# Altium PCB HIL_RIG_REV_1_2.PcbDoc (part 4 of 14) (continued)
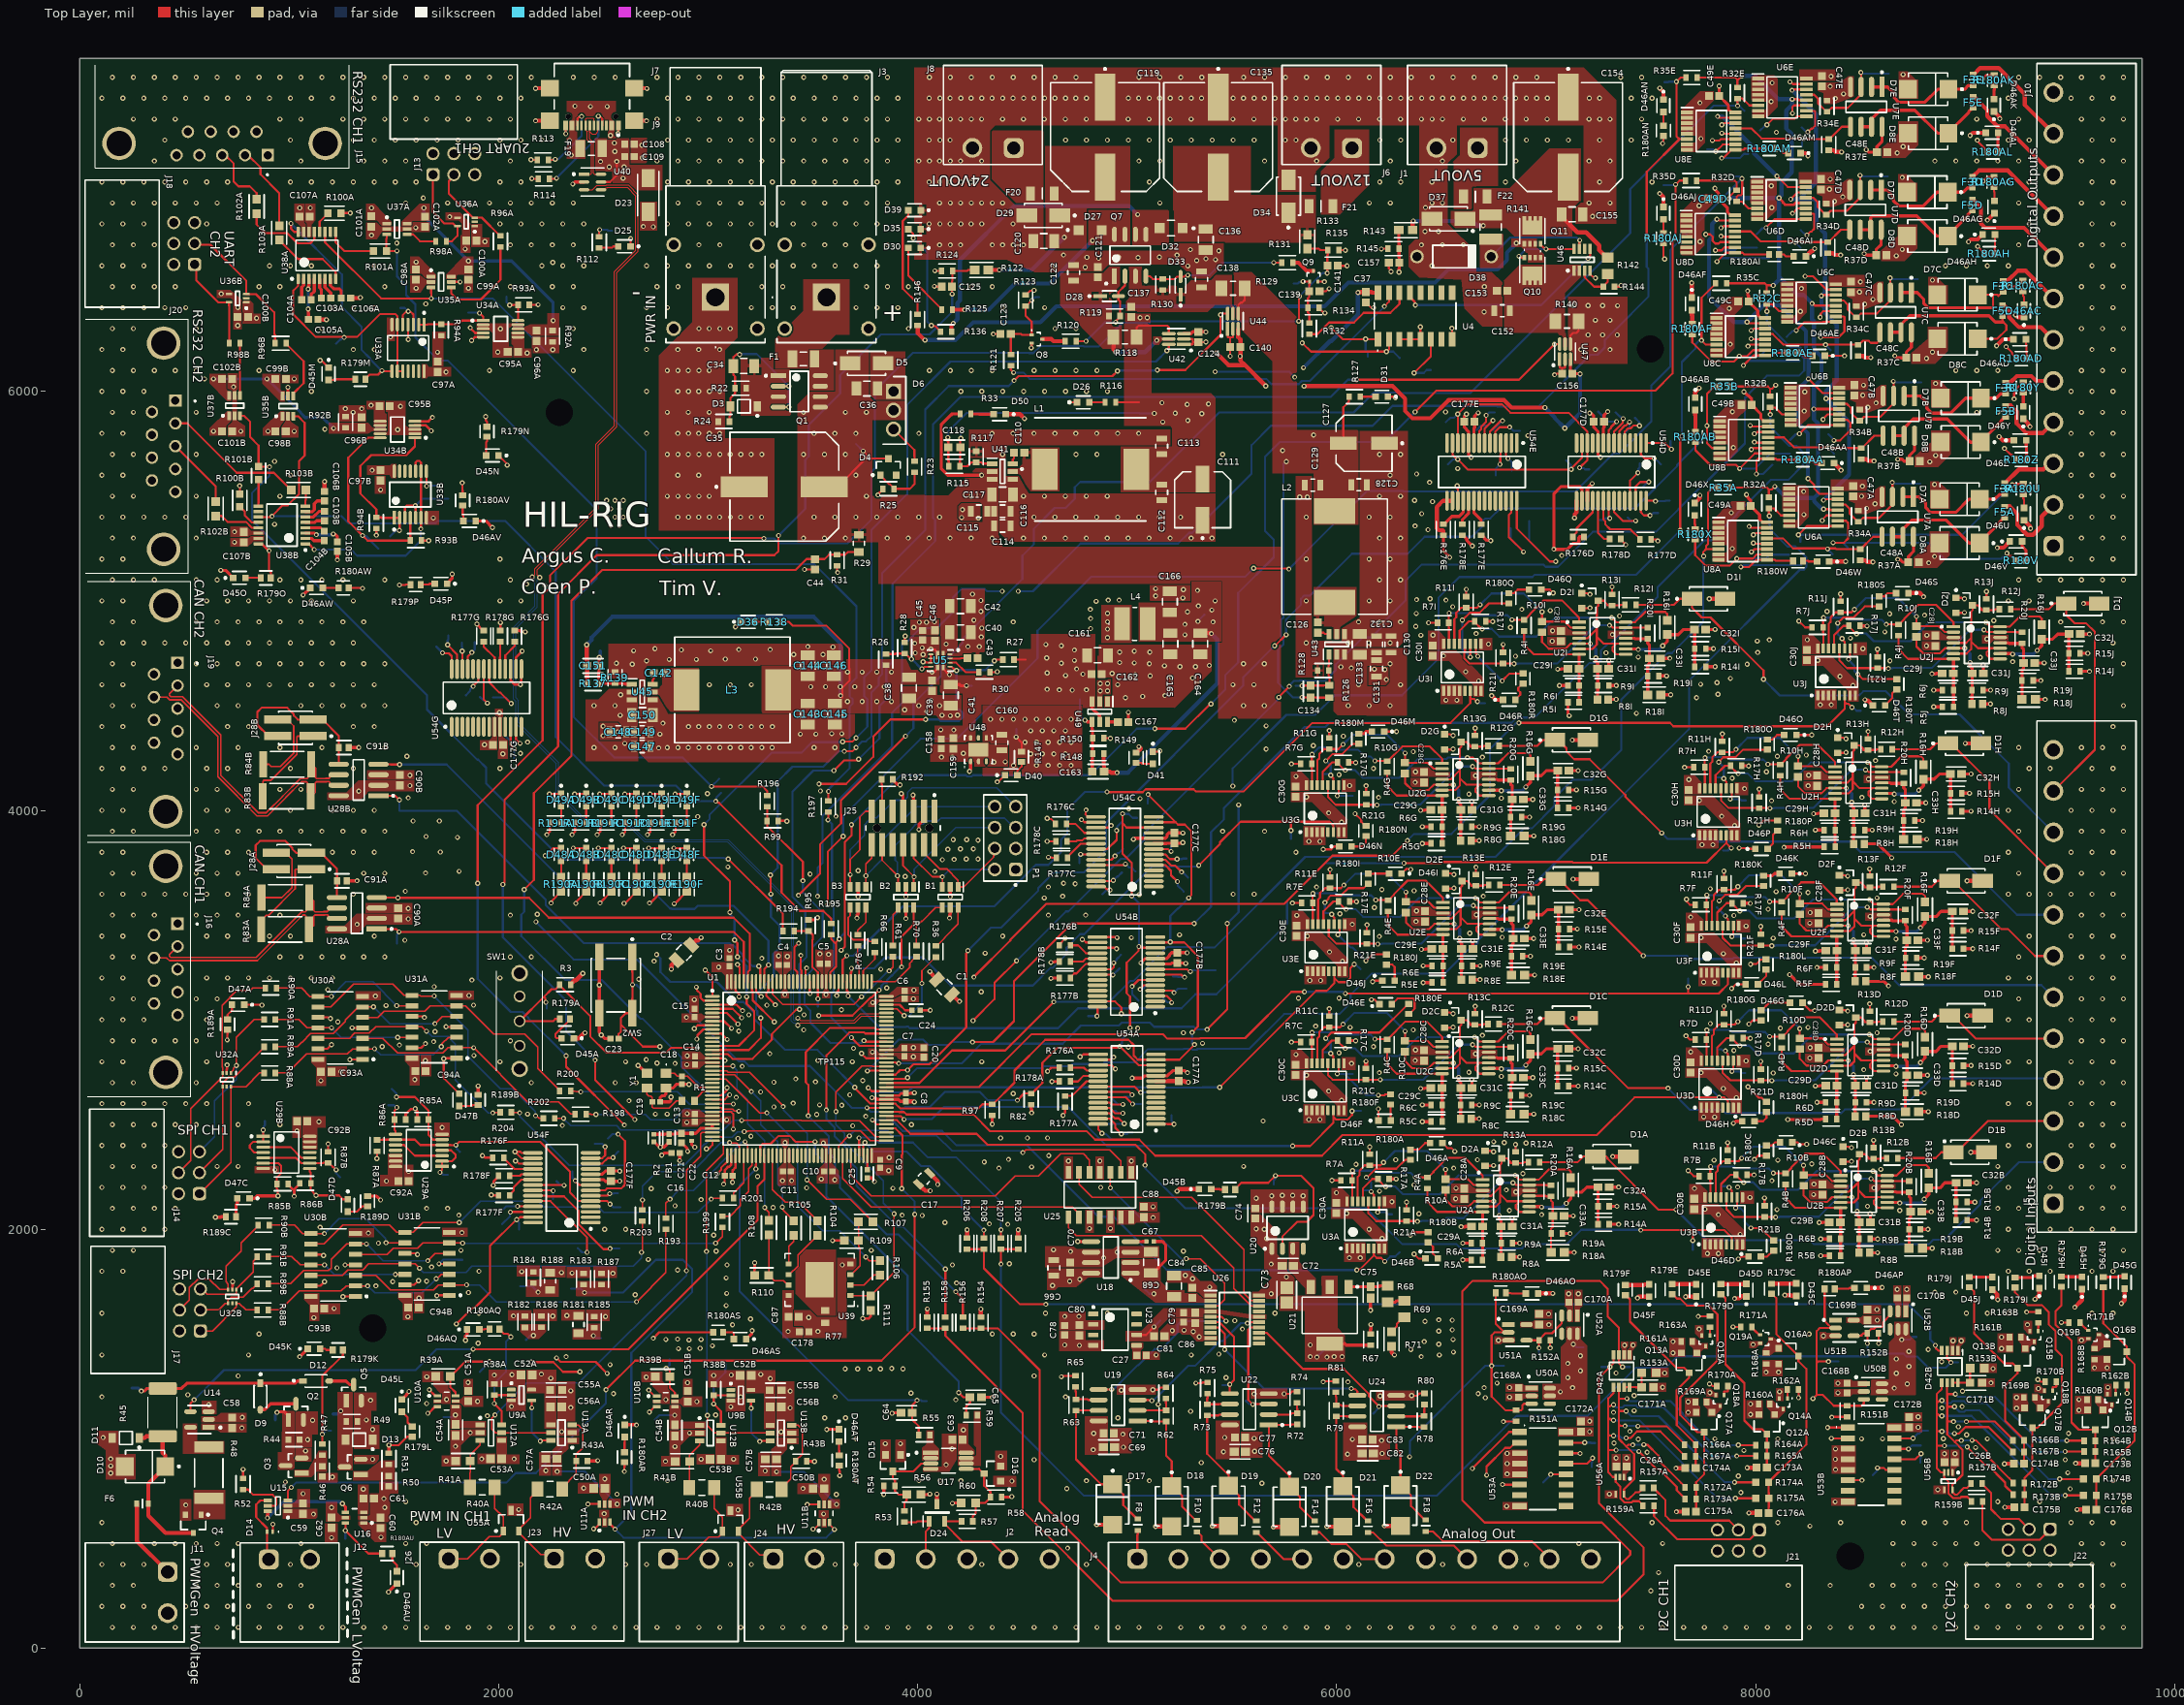
[diagram p0: Top Layer view]
## Footprints (in the part's own frame and the unit in brackets; to place one, negate y for a bottom-side part, rotate by r counter-clockwise, add the part's x,y. Pads: shape width x height; smd on the part's side, far side on the other; paste and mask are expansions set on the pad) (continued)
DRL0005A_M#2 [mm] "SOT23, 5-Leads, Body 1.7x1.3mm, Pitch 0.5mm, IPC Low Density"
  rrect33% 0.8x0.3 smd mask+0.038: 1(-1.05,0.5) 2(-1.05,0) 3(-1.05,-0.5) 4(1.05,-0.5) 5(1.05,0.5)
  silkscreen extent -1.17,-0.85 0.25,1.33, body extent -0.65,-0.85 0.65,0.85, height 0.6
ECS1601233AGNTR3 [mm]
  rect 1.3x1.1 smd: 1(-1.15,-0.9) 2(1.15,-0.9) 3(1.15,0.9) 4(-1.15,0.9)
  silkscreen extent -1.25,-2 -1.15,-1.9, body extent -1.69,-1.34 1.69,1.34, height 0.9
ESD501DPYR [mm]
  rect 0.3x0.5 smd: 1(-0.35,0) 2(0.35,0)
  silkscreen extent -1.1,-0.05 -1,0.05, body extent -0.5,-0.3 0.5,0.3, height 0.4
FAIR-DO-41-2_V [mm] "2-Leads, Axial leaded, Body 2.72x5.2mm, Pin Spacing 9mm"
  round 1.65 hole 1.15: 1(-4.5,0) 2(4.5,0)
  silkscreen extent -2.6,-1.36 2.6,1.36, body extent -4.93,-1.36 4.93,1.36, height 2.71
FCR7350B [mm]
  rect 3.3x3.3 hole 2.2: 1(0,0)
  round 1.8 hole 1.2: 2(-6.36,5.08) 3(-6.36,-5.08) 4(3.8,-5.08) 5(3.8,5.08)
  silkscreen extent -27.85,-6 6.1,6, body extent -27.51,-6.02 5.49,5.98, height 12.45
FCR7350R [mm]
  rect 3.3x3.3 hole 2.2: 1(0,0)
  round 1.8 hole 1.2: 2(-6.36,-5.08) 3(3.8,-5.08) 4(3.8,5.08) 5(-6.36,5.08)
  silkscreen extent -27.5,-6.6 5.5,6, body extent -27.5,-6 5.5,6, height 11.49
FP-0ZCM0001FF2G-MFG#1 [mm]
  rect 0.6x0.8 smd: 1(-0.7,0) 2(0.7,0)
  silkscreen extent 0,-0.5 0,0.5, body extent -1.1,-0.6 1.1,0.6, height 0.25
FP-0ZCM0001FF2G-MFG#2 [mm]
  rect 0.6x0.8 smd paste+0 mask+0: 1(-0.7,0) 2(0.7,0)
  silkscreen extent 0,-0.5 0,0.5, body extent -1.1,-0.6 1.1,0.6, height 0.25
FP-0466-MFG [mil]
  rect 45x80 smd: 1(-52.5,0) 2(52.5,0)
  silkscreen extent -15,-32 15,32, body extent -79,-44 79,44, height 10
FP-AC0603-IPC_A [mil]
  rect 41.68x39.85 smd: 1(-34.52,0) 2(34.52,0)
  silkscreen extent -55,-36 55,36, body extent -75,-40 75,40, height 10
FP-AC0603-IPC_C#1 [mil]
  rect 25.93x31.97 smd: 1(-26.64,0) 2(26.64,0)
  silkscreen extent -40,-33 40,33, body extent -44,-22 44,22, height 10
FP-AC0603-IPC_C#2 [mil]
  rect 25.93x31.97 smd paste+0 mask+0: 1(-26.64,0) 2(26.64,0)
  silkscreen extent -40,-33 40,33, body extent -44,-22 44,22, height 10
FP-AC2512-IPC_C [mil]
  rect 37.72x124.34 smd paste+0 mask+0: 1(-114.25,0) 2(114.25,0)
  silkscreen extent -81,-61 81,61, body extent -137,-68 137,68, height 10
FP-AT0603-IPC_A [mil]
  rect 41.68x39.85 smd: 1(-34.52,0) 2(34.52,0)
  silkscreen extent -55,-36 55,36, body extent -75,-40 75,40, height 10
FP-BLM15-0_05-IPC_A [mil]
  rect 28.16x26.48 smd: 1(-18.84,0) 2(18.84,0)
  silkscreen extent -33,-29 33,29, body extent -41,-21 41,21, height 10
FP-C0603C-CF-IPC_B [mil]
  rect 39.63x37.73 smd: 1(-28.58,0) 2(28.58,0)
  silkscreen extent -48,-35 48,35, body extent -58,-29 58,29, height 10
FP-C0603C-CF-MFG [mm]
  rect 0.75x0.9 smd: 1(-0.6,0) 2(0.6,0)
  silkscreen extent -0.87,-0.85 0.88,0.85, body extent -1.2,-0.6 1.2,0.6, height 0.25
FP-C-06527-IPC_B [mil]
  rect 72.24x23.03 smd: 1(-99.83,75)
  rrect100% 72.24x23.03 smd: 2(-99.83,25) 3(-99.83,-25) 4(-99.83,-75) 5(99.83,-75) 6(99.83,-25) 7(99.83,25) 8(99.83,75)
  silkscreen extent -164,-96 44,96, body extent -146,-106 146,106, height 10
FP-CC0402-IPC_A [mil]
  rect 26.31x26.48 smd: 1(-19.77,0) 2(19.77,0)
  silkscreen extent -33,-29 33,29, body extent -41,-21 41,21, height 10
FP-CC0603-DA-IPC_B#1 [mil]
  rect 41.66x35.91 smd: 1(-26.65,0) 2(26.65,0)
  silkscreen extent -47,-34 47,34, body extent -57,-28 57,28, height 10
FP-CC0603-DA-IPC_B#2 [mil]
  rect 41.66x35.91 smd paste+0 mask+0: 1(-26.65,0) 2(26.65,0)
  silkscreen extent -47,-34 47,34, body extent -57,-28 57,28, height 10
FP-CC0603-DB-IPC_B [mil]
  rect 43.55x37.73 smd: 1(-26.62,0) 2(26.62,0)
  silkscreen extent -48,-35 48,35, body extent -58,-29 58,29, height 10
FP-CC0805-0_85-IPC_A [mil]
  rect 59.24x61.27 smd: 1(-35.46,0) 2(35.46,0)
  silkscreen extent -65,-46 65,46, body extent -85,-50 85,50, height 10
FP-CRCW0603-e3-IPC_C [mil]
  rect 28.94x33.94 smd: 1(-24.23,0) 2(24.23,0)
  silkscreen extent -30,-33 30,33, body extent -43,-23 43,23, height 10
FP-CRGCQ0603-IPC_A [mil]
  rect 45.6x39.85 smd: 1(-32.56,0) 2(32.56,0)
  silkscreen extent -55,-36 55,36, body extent -75,-40 75,40, height 10
FP-CRGP0603-IPC_C [mil]
  rect 29.85x31.97 smd: 1(-24.68,0) 2(24.68,0)
  silkscreen extent -40,-33 40,33, body extent -44,-22 44,22, height 10
FP-CRGP2512-IPC_A [mil]
  rect 53.47x138.04 smd: 1(-122.13,0) 2(122.13,0)
  silkscreen extent -68,-68 70,68, body extent -169,-89 169,89, height 10
FP-D0008A-IPC_A [mil]
  rect 97.21x24.49 smd: 1(-95.02,75)
  rrect100% 97.21x24.49 smd: 2(-95.02,25) 3(-95.02,-25) 4(-95.02,-75) 5(95.02,-75) 6(95.02,-25) 7(95.02,25) 8(95.02,75)
  silkscreen extent -170,-97 27,97, body extent -163,-116 163,116, height 10
FP-D0008A-IPC_B [mil]
  rect 85.4x22.92 smd: 1(-93.06,75)
  rrect100% 85.4x22.92 smd: 2(-93.06,25) 3(-93.06,-25) 4(-93.06,-75) 5(93.06,-75) 6(93.06,-25) 7(93.06,25) 8(93.06,75)
  silkscreen extent -162,-97 31,97, body extent -146,-106 146,106, height 10
FP-D0014A-MFG [mm]
  rect 1.55x0.6 smd: 1(-2.7,3.81) 2(-2.7,2.54) 3(-2.7,1.27) 4(-2.7,0) 5(-2.7,-1.27) 6(-2.7,-2.54) 7(-2.7,-3.81) 8(2.7,-3.81) 9(2.7,-2.54) 10(2.7,-1.27) 11(2.7,0) 12(2.7,1.27) 13(2.7,2.54) 14(2.7,3.81)
  silkscreen extent -4.15,-4.38 1.55,4.38, body extent -3.57,-4.62 3.57,4.62, height 0.25
FP-DBV0005A-IPC_B [mm]
  rect 1.505x0.572 smd: 1(-1.1,0.95)
  rrect100% 1.505x0.572 smd: 2(-1.1,0) 3(-1.1,-0.95) 4(1.1,-0.95) 5(1.1,0.95)
  silkscreen extent -2.65,-1.7 1.4,1.7, body extent -2.1,-1.7 2.1,1.7, height 0.25
FP-DBV0006A-IPC_B [mm]
  rect 1.505x0.57 smd: 1(-1.1,0.95)
  rrect100% 1.505x0.57 smd: 2(-1.1,0) 3(-1.1,-0.95) 4(1.1,-0.95) 5(1.1,0) 6(1.1,0.95)
  silkscreen extent -1.58,-1.7 1.4,2.46, body extent -2.1,-1.7 2.1,1.7, height 0.25
FP-DCK0006A-IPC_A#1 [mm]
  rect 1.677x0.416 smd mask+0.025: 1(-0.914,0.65)
  rrect100% 1.677x0.416 smd mask+0.025: 2(-0.914,0) 3(-0.914,-0.65) 4(0.92,-0.65) 5(0.927,0) 6(0.92,0.649)
  silkscreen extent -1.9,-1.25 1.05,1.52, body extent -2.25,-1.5 2.25,1.5, height 0.25
FP-DCK0006A-IPC_A#2 [mm]
  rect 1.677x0.416 smd mask+0.025: 1(-0.914,0.65)
  rrect100% 1.677x0.416 smd mask+0.025: 2(-0.914,0) 3(-0.914,-0.65) 4(0.918,-0.65) 5(0.921,0) 6(0.918,0.65)
  silkscreen extent -1.9,-1.25 1.05,1.52, body extent -2.25,-1.5 2.25,1.5, height 0.25
FP-DCK0006A-IPC_A#3 [mm]
  rect 1.677x0.416 smd mask+0.025: 1(-0.921,0.65)
  rrect100% 1.677x0.416 smd mask+0.025: 2(-0.921,-0.001) 3(-0.918,-0.65) 4(0.914,-0.65) 5(0.914,0) 6(0.914,0.65)
  silkscreen extent -1.78,-1.25 1.05,1.52, body extent -2.25,-1.5 2.25,1.5, height 0.25
FP-DCK0006A-MFG [mm]
  rect 0.9x0.4 smd: 1(-1.1,0.65) 2(-1.1,0) 3(-1.1,-0.65) 4(1.1,-0.65) 5(1.1,0) 6(1.1,0.65)
  silkscreen extent -2.22,-1.07 0.27,1.07, body extent -1.65,-1.33 1.65,1.33, height 0.25
FP-DGK0008A-IPC_A [mm]
  rect 1.857x0.498 smd mask+0.023: 1(-2.149,0.978)
  rrect100% 1.857x0.498 smd mask+0.023: 2(-2.151,0.327) 3(-2.152,-0.328) 4(-2.15,-0.982) 5(2.151,-0.977) 6(2.151,-0.325) 7(2.151,0.325) 8(2.153,0.978)
  silkscreen extent -3.98,-1.5 0.85,1.5, body extent -3.58,-2 3.58,2, height 0.25
FP-DGS0010A-IPC_B [mm]
  rect 1.557x0.352 smd mask+0.02: 1(-2.101,1)
  rrect100% 1.557x0.352 smd mask+0.02: 2(-2.101,0.5) 3(-2.101,0) 4(-2.101,-0.5) 5(-2.101,-1) 6(2.101,-1) 7(2.101,-0.5) 8(2.101,0) 9(2.101,0.5) 10(2.101,1)
  silkscreen extent -3.55,-1.5 0.82,1.5, body extent -3.13,-1.75 3.13,1.75, height 0.25
FP-EEH-D8-MFG [mm]
  rect 3.2x1.6 smd: 1(-2.5,0) 2(2.5,0)
  silkscreen extent -4.77,-3.4 3.4,3.4, body extent -4.35,-3.65 4.35,3.65, height 0.25
FP-ESR18-IPC_A [mil]
  rect 57.31x73.16 smd: 1(-59.1,0) 2(59.1,0)
  silkscreen extent -14,-37 16,37, body extent -107,-56 107,56, height 10
FP-FTSH-107-01-L-DV-K-A-MFG [mm]
  rect 0.74x2.79 smd: 1(-3.81,-2.035) 2(-3.81,2.035) 3(-2.54,-2.035) 4(-2.54,2.035) 5(-1.27,-2.035) 6(-1.27,2.035) 7(0,-2.035) 8(0,2.035) 9(1.27,-2.035) 10(1.27,2.035) 11(2.54,-2.035) 12(2.54,2.035) 13(3.81,-2.035) 14(3.81,2.035)
  round 1.02 hole 1.02 unplated mask+0: MH1(-3.175,0) MH2(3.175,0)
  silkscreen extent -4.51,-4.11 4.51,0.27, body extent -4.61,-3.53 4.61,3.53, height 0.25
FP-GJM155-0_05-IPC_A [mil]
  rect 28.16x26.48 smd: 1(-18.84,0) 2(18.84,0)
  body extent -41,-21 41,21, height 10
FP-GRJ21B-0_35-MFG#1 [mm]
  rect 0.7x1.3 smd: 1(-1,0) 2(1,0)
  silkscreen extent -0.28,-0.75 0.28,0.75, body extent -1.45,-0.85 1.45,0.85, height 0.25
FP-GRJ21B-0_35-MFG#2 [mm]
  rect 0.7x1.3 smd mask+0.025: 1(-1,0)
  rect 0.7x1.3 smd: 2(1,0)
  silkscreen extent -0.28,-0.75 0.28,0.75, body extent -1.45,-0.85 1.45,0.85, height 0.25
FP-GRM21B-0_2-e0_2_0_7-MFG [mm]
  rect 0.7x1.3 smd paste+0 mask+0: 1(-0.95,0) 2(0.95,0)
  silkscreen extent -0.23,-0.72 0.23,0.72, body extent -1.4,-0.82 1.4,0.82, height 0.25
FP-GRM31C-0_2-e0_3_0_8-IPC_C [mil]
  rect 45.46x67.17 smd: 1(-50.23,0) 2(50.23,0)
  silkscreen extent -16,-35 16,35, body extent -77,-39 77,39, height 10
FP-GRM188-0_1-e0_2_0_5-IPC_B [mil]
  rect 37.74x35.91 smd: 1(-28.61,0) 2(28.61,0)
  silkscreen extent -47,-34 47,34, body extent -57,-28 57,28, height 10
FP-GRM188-0_2-IPC_C [mil]
  rect 35.63x35.68 smd: 1(-23.64,0) 2(23.64,0)
  silkscreen extent -41,-35 41,35, body extent -45,-24 45,24, height 10
FP-LTST-C193KGKT-5A-MFG [mm]
  rect 0.8x0.8 smd: 1(-0.75,0) 2(0.75,0)
  silkscreen extent -1.83,-0.78 0.85,0.78, body extent -1.25,-0.55 1.25,0.55, height 0.25
FP-LTST-C193KRKT-5A-MFG [mm]
  rect 0.8x0.8 smd: 1(-0.75,0) 2(0.75,0)
  silkscreen extent -1.82,-0.82 0.7,0.82, body extent -1.25,-0.55 1.25,0.55, height 0.25
FP-LTST-C193TBKT-5A-MFG [mm]
  rect 0.8x0.8 smd: 1(-0.75,0) 2(0.75,0)
  silkscreen extent -1.85,-0.8 0.85,0.8, body extent -1.25,-0.55 1.25,0.55, height 0.25
FP-MCS0402-IPC_B [mil]
  rect 22.26x22.54 smd: 1(-17.86,0) 2(17.86,0)
  silkscreen extent -29,-27 29,27, body extent -35,-17 35,17, height 10
FP-MVYAKE0-MFG [mm]
  rect 5.7x2.5 smd: 1(-4.85,0) 2(4.85,0)
  silkscreen extent -8.37,-6.6 6.6,6.6, body extent -7.95,-6.85 7.95,6.85, height 0.25
FP-PW0014A-IPC_B [mm]
  rect 1.655x0.381 smd: 1(-2.825,1.95)
  rrect100% 1.655x0.381 smd: 2(-2.825,1.3) 3(-2.825,0.65) 4(-2.825,0) 5(-2.825,-0.65) 6(-2.825,-1.3) 7(-2.825,-1.95) 8(2.825,-1.95) 9(2.825,-1.3) 10(2.825,-0.65) 11(2.825,0) 12(2.825,0.65) 13(2.825,1.3) 14(2.825,1.95)
  silkscreen extent -3.41,-2.5 1.5,2.94, body extent -3.9,-2.75 3.9,2.75, height 0.25
FP-RC0603-0_55-IPC_A [mil]
  rect 41.68x39.85 smd: 1(-34.52,0) 2(34.52,0)
  silkscreen extent -55,-36 55,36, body extent -75,-40 75,40, height 10
FP-RT0603-IPC_A [mil]
  rect 41.68x39.85 smd: 1(-34.52,0) 2(34.52,0)
  silkscreen extent -55,-36 55,36, body extent -75,-40 75,40, height 10
FP-RT0603-IPC_B#1 [mil]
  rect 33.81x35.91 smd: 1(-30.58,0) 2(30.58,0)
  silkscreen extent -47,-34 47,34, body extent -57,-28 57,28, height 10
FP-RT0603-IPC_B#2 [mil]
  rect 33.81x35.91 smd: 1(-30.58,0) 2(31.53,0)
FP-RT0603-IPC_C [mil]
  rect 25.93x31.97 smd: 1(-26.64,0) 2(26.64,0)
  silkscreen extent -40,-33 40,33, body extent -44,-22 44,22, height 10
FP-RT0805-MFG [mm]
  rect 0.9x1.2 smd: 1(-1.05,0) 2(1.05,0)
  silkscreen extent -0.22,-0.67 0.22,0.67, body extent -1.6,-0.77 1.6,0.77, height 0.25
FP-RUX0012A-MFG [mm]
  rrect25% 1.05x0.4 smd: 1(-0.675,0.35) 2(-0.675,-0.35) 7(0.675,-0.35) 8(0.675,0.35)
  rrect50% 0.2x0.6 smd: 3(-0.75,-1.15) 4(-0.25,-1.15) 5(0.25,-1.15) 6(0.75,-1.15) 9(0.75,1.15) 10(0.25,1.15) 11(-0.25,1.15) 12(-0.75,1.15)
  silkscreen extent -1.39,-1.55 1.3,2.28, body extent -1.3,-1.55 1.3,1.55, height 0.25
FP-SMA-MFG [mm]
  rect 2.5x1.7 smd: 1(-2,0) 2(2,0)
  silkscreen extent -3.92,-1.46 2.3,1.46, body extent -3.35,-1.56 3.35,1.56, height 0.25
FP-SMBJ-MFG [mm]
  rect 2.16x2.26 smd: 1(-2.45,0) 2(2.45,0)
  silkscreen extent -4.23,-1.97 2.37,1.97, body extent -3.63,-2.07 3.63,2.07, height 0.25
FP-SOD123-IPC_C [mil]
  rect 37.7x26.08 smd: 1(-63.01,0)
  rrect100% 37.7x26.08 smd: 2(63.01,0)
  silkscreen extent -111,-31 52,31, body extent -86,-34 86,34, height 10
FP-SOD123W-MFG [mm]
  rect 1.2x1.2 smd: 1(-1.4,0) 2(1.4,0)
  silkscreen extent -2.85,-0.1 -2.6,0.15, body extent -2.2,-1.05 2.2,1.05, height 0.25
FP-SOD323-IPC_A [mil]
  rect 63.21x18.6 smd: 1(-43.32,0)
  rrect100% 63.21x18.6 smd: 2(43.32,0)
  silkscreen extent -100,-26 33,26, body extent -95,-45 95,45, height 10
FP-SOT23-IPC_A [mm]
  rect 1.659x0.627 smd: 1(-0.977,0.915)
  rrect100% 1.659x0.627 smd: 2(-0.977,-0.915) 3(0.977,0)
  silkscreen extent 0.23,-1.45 0.65,1.45, body extent -2.31,-1.95 2.31,1.95, height 0.25
FP-SRP1265A-MFG [mm]
  rect 3.1x5 smd: 1(-5.55,0) 2(5.55,0)
  silkscreen extent -7,-6.4 7,6.4, body extent -7.2,-6.5 7.2,6.5, height 0.25
FP-TMM-102-01-T-D-SM-MFG [mm]
  rect 1.02x3.3 smd: 1(-1,-2.135) 2(-1,2.135) 3(1,-2.135) 4(1,2.135)
  silkscreen extent -2,-4.46 2,2.03, body extent -2.1,-3.89 2.1,3.89, height 0.25
FP-TNPW0603-e3-IPC_A [mil]
  rect 43.83x41.82 smd: 1(-31.67,0) 2(31.67,0)
  silkscreen extent -54,-37 54,37, body extent -73,-41 73,41, height 10
FP-USB4110-GF-A-MFG [mm]
  rect 2.18x2 smd: 1(-5.11,3.105) 2(5.11,3.105) 3(-5.11,-0.825) 4(5.11,-0.825)
  round 0.65 hole 0.65 unplated mask+0.023: 5(2.89,2.605) 6(-2.89,2.605)
  rect 0.6x1.15 smd mask+0.038: A1-B12(-3.2,3.68) A4-B9(-2.4,3.68) B1-A12(3.2,3.68) B4-A9(2.4,3.68)
  rect 0.3x1.15 smd mask+0.038: A5(-1.25,3.68) A6(-0.25,3.68) A7(0.25,3.68) A8(1.25,3.68) B5(1.75,3.68) B6(0.75,3.68) B7(-0.75,3.68) B8(-1.75,3.68)
  silkscreen extent -4.57,-3.82 4.57,4.99, body extent -6.3,-3.92 6.3,4.36, height 0.25
FUSC3116X70N [mm]
  rect 1.07x1.68 smd: 1(-1.43,0) 2(1.43,0)
  silkscreen extent 0,-0.67 0,0.67, body extent -1.55,-0.77 1.55,0.77, height 0.7
INF-PG-DSO-8-3_L [mm] "SOP, 8-Leads, Body 4.9x3.9mm, Pitch 1.27mm, IPC High Density"
  oval 1.5x0.6 smd: 1(-2.55,1.905) 2(-2.55,0.635) 3(-2.55,-0.635) 4(-2.55,-1.905) 5(2.55,-1.905) 6(2.55,-0.635) 7(2.55,0.635) 8(2.55,1.905)
  silkscreen extent -2.67,-2.5 1.4,2.88, body extent -2,-2.5 2,2.5, height 1.75
INF-PG-SOT23_L [mm] "SOT23, 3-Leads, Body 2.9x1.3mm, Pitch 0.95mm, IPC High Density"
  rect 0.75x0.6 smd: 1(-1.1,0.95) 2(-1.1,-0.95) 3(1.1,0)
  silkscreen extent -1.22,-1.5 0.7,1.93, body extent -0.7,-1.5 0.7,1.5, height 1.1
LT-S8-8_N [mm] "SOIC, 8-Leads, Body 4.9x3.9mm, Pitch 1.27mm, IPC Medium Density"
  oval 2.2x0.6 smd: 1(-2.4,1.905) 2(-2.4,0.635) 3(-2.4,-0.635) 4(-2.4,-1.905) 5(2.4,-1.905) 6(2.4,-0.635) 7(2.4,0.635) 8(2.4,1.905)
  silkscreen extent -2.53,-2.5 0.9,2.88, body extent -2,-2.5 2,2.5, height 1.76
LT-ST-3-SOT-223_M [mm] "SOT223, 4-Leads, Body 6.505x3.505mm, Pitch 2.3mm, IPC Low Density"
  rect 1.7x1 smd: 1(-3.45,2.3) 2(-3.45,0) 3(-3.45,-2.3)
  rect 1.7x3.25 smd: 4(3.45,0)
  silkscreen extent -3.57,-3.35 2.2,3.48, body extent -1.86,-3.35 1.86,3.35, height 1.8
LT-TS8-8-TSOT-23_V [mm] "SOT23, 8-Leads, Body 2.9x1.75mm, Pitch 0.65mm"
  rect 1.22x0.4 smd: 1(-1.31,0.975) 2(-1.31,0.325) 3(-1.31,-0.325) 4(-1.31,-0.975) 5(1.31,-0.975) 6(1.31,-0.325) 7(1.31,0.325) 8(1.31,0.975)
  silkscreen extent -1.43,-1.45 0.3,1.85, body extent -0.87,-1.45 0.88,1.45, height 1
Nexperia_SOT457_IPC_C [mm]
  rect 1.254x0.436 smd: 1(-1.025,0.95)
  rrect100% 1.254x0.436 smd: 2(-1.025,0) 3(-1.025,-0.95) 4(1.025,-0.95) 5(1.025,0) 6(1.025,0.95)
  silkscreen extent -2.4,-1.7 1.38,1.7, body extent -1.75,-1.55 1.75,1.55, height 0.25
ONSC-SC-75-3-463-01_V [mil] "SOT23, 3-Leads, Body 1.6x0.8mm, Pitch 0.5mm"
  rect 20x14.02 smd: 1(-25.49,19.69) 2(-25.49,-19.69) 3(25.49,0)
  silkscreen extent -27,-31 16,44, body extent -16,-31 16,31, height 35
ONSC-SOD-123-2-425-04_V [mm] "SOD, 2-Leads, Body 2.69x1.6mm"
  rect 0.91x1.22 smd: 1(-1.635,0) 2(1.635,0)
  silkscreen extent -1.76,-0.8 0.78,1.28, body extent -1.35,-0.8 1.35,0.8, height 1.35
ONSC-SOT-23-3-318-08_V [mm] "SOT23, 3-Leads, Body 2.92x1.3mm, Pitch 0.95mm"
  rect 0.9x0.8 smd: 1(-1,0.95) 2(-1,-0.95) 3(1,0)
  silkscreen extent -1.12,-1.46 0.65,2.02, body extent -0.65,-1.46 0.65,1.46, height 1.11
PNSC-EVQQ2_V [mm] "SMD, 4-Leads, Body 6.5x6mm"
  rect 3.2x1 smd: 1(-3.4,2) 2(-3.4,-2) 3(3.4,2) 4(3.4,-2)
  silkscreen extent -5.67,-3 3.25,3, body extent -3.3,-3 3.3,3, height 3.1
PSON127P800X80_HS-9M [mm] "PSON, 8-Leads, Body 6.00x8.00mm, Pitch 1.27mm, Thermal Pad 4.30x3.40mm, IPC Low Density"
  rect 0.75x0.6 smd: 1(-3.755,1.905) 2(-3.755,0.635) 3(-3.755,-0.635) 4(-3.755,-1.905) 5(3.755,-1.905) 6(3.755,-0.635) 7(3.755,0.635) 8(3.755,1.905)
  rect 3.4x4.3 smd: 9(0,0)
  silkscreen extent -4.65,-3.2 4.2,3.25, body extent -4.05,-3.05 4.05,3.05, height 0.8
PW0016A_L [mm] "SOP, 16-Leads, Body 5.1x4.5mm, Pitch 0.65mm, IPC High Density"
  rrect25% 1.2x0.4 smd: 1(-2.85,2.275) 2(-2.85,1.625) 3(-2.85,0.975) 4(-2.85,0.325) 5(-2.85,-0.325) 6(-2.85,-0.975) 7(-2.85,-1.625) 8(-2.85,-2.275) 9(2.85,-2.275) 10(2.85,-1.625) 11(2.85,-0.975) 12(2.85,-0.325) 13(2.85,0.325) 14(2.85,0.975) 15(2.85,1.625) 16(2.85,2.275)
  silkscreen extent -2.97,-2.55 1.85,3.15, body extent -3.21,-2.5 3.21,2.5, height 1
RESC1608X55X25LL10T15 [mm] "Chip Resistor, 2-Leads, Body 1.70x0.90mm, IPC High Density"
  rect 0.6x0.8 smd: 1(-0.65,0) 2(0.65,0)
  body extent -0.85,-0.45 0.85,0.45, height 0.55
RESC1608X55X25ML10T15 [mm] "Chip Resistor, 2-Leads, Body 1.70x0.90mm, IPC Low Density"
  rect 0.8x1 smd: 1(-0.75,0) 2(0.75,0)
  body extent -0.85,-0.45 0.85,0.45, height 0.55
RESC1608X55X30NL20T20 [mm] "Chip Resistor, 2-Leads, Body 1.60x0.80mm, IPC Medium Density"
  rect 0.9x1 smd: 1(-0.65,0) 2(0.65,0)
  body extent -0.9,-0.5 0.9,0.5, height 0.55
RESC2013X60X35ML10T20 [mm] "Chip Resistor, 2-Leads, Body 2.00x1.25mm, IPC Low Density"
  rect 1.2x1.45 smd: 1(-1,0) 2(1,0)
  body extent -1.05,-0.67 1.05,0.67, height 0.6
RESC3126X60X50ML10T20 [mm] "Chip Resistor, 2-Leads, Body 3.10x2.60mm, IPC Low Density"
  rect 1.35x2.8 smd: 1(-1.475,0) 2(1.475,0)
  silkscreen extent -0.4,-1.3 0.4,1.3, body extent -1.6,-1.35 1.6,1.35, height 0.6
RESC3216X89X51NL25T25 [mm] "Chip Resistor, 2-Leads, Body 3.20x1.60mm, IPC Medium Density"
  rect 1.4x1.85 smd: 1(-1.4,0) 2(1.4,0)
  silkscreen extent -0.3,-0.82 0.3,0.82, body extent -1.73,-0.92 1.73,0.92, height 0.89
RESC6432X95N [mm] "Chip Resistor, 2-Leads, Body 6.40x3.20mm, IPC Medium Density"
  rrect25% 1.5x3.4 smd: 1(-2.9,0) 2(2.9,0)
  silkscreen extent -1.89,-1.76 1.89,1.76, body extent -3.2,-1.6 3.2,1.6, height 0.95
SOIC127P600X175-14N [mm]
  rect 1.55x0.7 smd: 1(-2.725,3.81) 2(-2.725,2.54) 3(-2.725,1.27) 4(-2.725,0) 5(-2.725,-1.27) 6(-2.725,-2.54) 7(-2.725,-3.81) 8(2.725,-3.81) 9(2.725,-2.54) 10(2.725,-1.27) 11(2.725,0) 12(2.725,1.27) 13(2.725,2.54) 14(2.725,3.81)
  silkscreen extent -3.5,-4.33 1.6,4.51, body extent -3,-4.31 3,4.34, height 1.56
SOP65P400X130-8N [mm]
  rect 1.1x0.45 smd mask+0.038: 1(-1.95,0.975) 2(-1.95,0.325) 3(-1.95,-0.325) 4(-1.95,-0.975) 5(1.95,-0.975) 6(1.95,-0.325) 7(1.95,0.325) 8(1.95,0.975)
  silkscreen extent -1.8,-1.48 1.05,1.53, body extent -2.01,-1.48 2.01,1.48, height 0.91
SOP65P640X120-16N [mm]
  rect 1.475x0.45 smd mask+0.038: 1(-2.938,2.275) 2(-2.938,1.625) 3(-2.938,0.975) 4(-2.938,0.325) 5(-2.938,-0.325) 6(-2.938,-0.975) 7(-2.938,-1.625) 8(-2.938,-2.275) 9(2.938,-2.275) 10(2.938,-1.625) 11(2.938,-0.975) 12(2.938,-0.325) 13(2.938,0.325) 14(2.938,0.975) 15(2.938,1.625) 16(2.938,2.275)
  silkscreen extent -3.67,-2.5 1.85,2.85, body extent -3.2,-2.5 3.2,2.5, height 1.13
SOP65P640X120-20N [mm]
  rect 1.475x0.45 smd mask+0.038: 1(-2.938,2.925) 2(-2.938,2.275) 3(-2.938,1.625) 4(-2.938,0.975) 5(-2.938,0.325) 6(-2.938,-0.325) 7(-2.938,-0.975) 8(-2.938,-1.625) 9(-2.938,-2.275) 10(-2.938,-2.925) 11(2.938,-2.925) 12(2.938,-2.275) 13(2.938,-1.625) 14(2.938,-0.975) 15(2.938,-0.325) 16(2.938,0.325) 17(2.938,0.975) 18(2.938,1.625) 19(2.938,2.275) 20(2.938,2.925)
  silkscreen extent -3.67,-3.25 1.85,3.5, body extent -3.2,-3.25 3.2,3.25, height 1.2
SOT95P230X110-3M [mm] "SOT23, 3-Leads, Body 2.90x2.30mm, Pitch 0.95mm, IPC Low Density"
  rect 1.1x0.65 smd: 1(-1.25,0.95) 2(-1.25,-0.95) 3(1.25,0)
  silkscreen extent -1.37,-1.5 0.7,1.95, body extent -0.7,-1.5 0.7,1.5, height 1.1
SOT95P237X112-3N [mm]
  rect 1.25x0.6 smd: 1(-1.05,0.95) 2(-1.05,-0.95) 3(1.05,0)
  silkscreen extent -1.71,-1.46 0.08,1.68, body extent -1.27,-1.46 1.27,1.46, height 1
SOT95P280X110-6N [mm]
  rect 1.25x0.6 smd: 1(-1.25,0.95) 2(-1.25,0) 3(-1.25,-0.95) 4(1.25,-0.95) 5(1.25,0) 6(1.25,0.95)
  silkscreen extent -1.88,-1.45 0.28,1.6, body extent -1.4,-1.45 1.4,1.45, height 0.97
SOT95P280X145-6M [mm] "SOT23, 6-Leads, Body 2.90x2.80mm, Pitch 0.95mm, IPC Low Density"
  rect 1.1x0.6 smd: 1(-1.3,0.95) 2(-1.3,0) 3(-1.3,-0.95) 4(1.3,-0.95) 5(1.3,0) 6(1.3,0.95)
  silkscreen extent -1.42,-1.6 0.33,1.92, body extent -0.87,-1.52 0.87,1.53, height 1.45
SOT95P280X145-6N [mm]
  rect 1.2x0.6 smd: 1(-1.25,0.95) 2(-1.25,0) 3(-1.25,-0.95) 4(1.25,-0.95) 5(1.25,0) 6(1.25,0.95)
  silkscreen extent -1.85,-1.46 0.3,1.6
SOTFL50P160X60-6N [mm]
  rect 0.475x0.3 smd mask+0.038: 1(-0.838,0.5) 2(-0.838,0) 3(-0.838,-0.5) 4(0.838,-0.5) 5(0.838,0) 6(0.838,0.5)
  silkscreen extent -0.25,-0.8 0.25,0.8, body extent -0.8,-0.8 0.8,0.8, height 0.6
SRP1265A [mm]
  rect 3.1x5 smd: 1(-5.55,0) 2(5.55,0)
  silkscreen extent -8.45,-6.25 6.75,6.25, body extent -6.8,-6.25 6.7,6.25, height 6.2
SS12F44G5 [mil]
  round 56 hole 40: 1(0,0) 2(118.11,0) 3(236.22,0)
  round 78.74 hole 54.83: MH1(-110.24,0) MH2(346.46,0)
  silkscreen extent -120,-110 356,110, body extent -134,-110 370,110, height 437
SSOP-SS28_M [mm] "SOP, 28-Leads, Body 10.2x5.2mm, Pitch 0.65mm, IPC Low Density"
  oval 2.4x0.45 smd mask+0.038: 1(-3.5,4.225) 2(-3.5,3.575) 3(-3.5,2.925) 4(-3.5,2.275) 5(-3.5,1.625) 6(-3.5,0.975) 7(-3.5,0.325) 8(-3.5,-0.325) 9(-3.5,-0.975) 10(-3.5,-1.625) 11(-3.5,-2.275) 12(-3.5,-2.925) 13(-3.5,-3.575) 14(-3.5,-4.225) 15(3.5,-4.225) 16(3.5,-3.575) 17(3.5,-2.925) 18(3.5,-2.275) 19(3.5,-1.625) 20(3.5,-0.975) 21(3.5,-0.325) 22(3.5,0.325) 23(3.5,0.975) 24(3.5,1.625) 25(3.5,2.275) 26(3.5,2.925) 27(3.5,3.575) 28(3.5,4.225)
  silkscreen extent -3.63,-5.25 1.9,5.25, body extent -2.8,-5.25 2.8,5.25, height 2
STM-LQFP144_N [mm] "Thin QFP, 144-Leads, Body 20x20mm, Pitch 0.5mm, IPC Medium Density"
  oval 1.8x0.3 smd mask+0.038: 1(-10.55,8.75) 2(-10.55,8.25) 3(-10.55,7.75) 4(-10.55,7.25) 5(-10.55,6.75) 6(-10.55,6.25) 7(-10.55,5.75) 8(-10.55,5.25) 9(-10.55,4.75) 10(-10.55,4.25) 11(-10.55,3.75) 12(-10.55,3.25) 13(-10.55,2.75) 14(-10.55,2.25) 15(-10.55,1.75) 16(-10.55,1.25) 17(-10.55,0.75) 18(-10.55,0.25) 19(-10.55,-0.25) 20(-10.55,-0.75) 21(-10.55,-1.25) 22(-10.55,-1.75) 23(-10.55,-2.25) 24(-10.55,-2.75) 25(-10.55,-3.25) 26(-10.55,-3.75) 27(-10.55,-4.25) 28(-10.55,-4.75) 29(-10.55,-5.25) 30(-10.55,-5.75) 31(-10.55,-6.25) 32(-10.55,-6.75) 33(-10.55,-7.25) 34(-10.55,-7.75) 35(-10.55,-8.25) 36(-10.55,-8.75) 73(10.55,-8.75) 74(10.55,-8.25) 75(10.55,-7.75) 76(10.55,-7.25) 77(10.55,-6.75) 78(10.55,-6.25) 79(10.55,-5.75) 80(10.55,-5.25) 81(10.55,-4.75) 82(10.55,-4.25) 83(10.55,-3.75) 84(10.55,-3.25) 85(10.55,-2.75) 86(10.55,-2.25) 87(10.55,-1.75) 88(10.55,-1.25) 89(10.55,-0.75) 90(10.55,-0.25) 91(10.55,0.25) 92(10.55,0.75) 93(10.55,1.25) 94(10.55,1.75) 95(10.55,2.25) 96(10.55,2.75) 97(10.55,3.25) 98(10.55,3.75) 99(10.55,4.25) 100(10.55,4.75) 101(10.55,5.25) 102(10.55,5.75) 103(10.55,6.25) 104(10.55,6.75) 105(10.55,7.25) 106(10.55,7.75) 107(10.55,8.25) 108(10.55,8.75)
  oval 0.3x1.8 smd mask+0.038: 37(-8.75,-10.55) 38(-8.25,-10.55) 39(-7.75,-10.55) 40(-7.25,-10.55) 41(-6.75,-10.55) 42(-6.25,-10.55) 43(-5.75,-10.55) 44(-5.25,-10.55) 45(-4.75,-10.55) 46(-4.25,-10.55) 47(-3.75,-10.55) 48(-3.25,-10.55) 49(-2.75,-10.55) 50(-2.25,-10.55) 51(-1.75,-10.55) 52(-1.25,-10.55) 53(-0.75,-10.55) 54(-0.25,-10.55) 55(0.25,-10.55) 56(0.75,-10.55) 57(1.25,-10.55) 58(1.75,-10.55) 59(2.25,-10.55) 60(2.75,-10.55) 61(3.25,-10.55) 62(3.75,-10.55) 63(4.25,-10.55) 64(4.75,-10.55) 65(5.25,-10.55) 66(5.75,-10.55) 67(6.25,-10.55) 68(6.75,-10.55) 69(7.25,-10.55) 70(7.75,-10.55) 71(8.25,-10.55) 72(8.75,-10.55) 109(8.75,10.55) 110(8.25,10.55) 111(7.75,10.55) 112(7.25,10.55) 113(6.75,10.55) 114(6.25,10.55) 115(5.75,10.55) 116(5.25,10.55) 117(4.75,10.55) 118(4.25,10.55) 119(3.75,10.55) 120(3.25,10.55) 121(2.75,10.55) 122(2.25,10.55) 123(1.75,10.55) 124(1.25,10.55) 125(0.75,10.55) 126(0.25,10.55) 127(-0.25,10.55) 128(-0.75,10.55) 129(-1.25,10.55) 130(-1.75,10.55) 131(-2.25,10.55) 132(-2.75,10.55) 133(-3.25,10.55) 134(-3.75,10.55) 135(-4.25,10.55) 136(-4.75,10.55) 137(-5.25,10.55) 138(-5.75,10.55) 139(-6.25,10.55) 140(-6.75,10.55) 141(-7.25,10.55) 142(-7.75,10.55) 143(-8.25,10.55) 144(-8.75,10.55)
  silkscreen extent -10.67,-9.25 9.25,9.57, body extent -10,-10 10,10, height 1.6
TO229P280X780X1410-3P [mm]
  rect 1.845x1.845 hole 1.23: 1(0,0)
  round 1.845 hole 1.23: 2(2.29,0) 3(4.58,0)
  silkscreen extent -1.81,-1.32 6.39,1.49, body extent -1.61,-1.32 6.19,1.49, height 13.5
TP06R#1 [mil] "Testpoint, round, d=0.6mm"
  round 23.62 smd: 1(-11,10)
TP06R#2 [mil] "Testpoint, round, d=0.6mm"
  round 23.62 smd: 1(0,0)
TP06R#3 [mil] "Testpoint, round, d=0.6mm"
  round 23.62 smd far side: 1(0,0)
VLS4015CX100MH [mm]
  rect 1.9x4 smd: 1(-1.55,0) 2(1.55,0)
  silkscreen extent -3.2,-2 0.2,2, body extent -2,-2.01 2,2.01, height 1.5

## Part data
B1 B2 B3: library part CMP-004-00066-1, "TVS Diode Array Uni-Directional USBLC6-2SC6 17V, SOT-23 6-Pin", Mouser Part Number=511-USBLC6-2SC6, Manufacturer_Name=STMicroelectronics, Manufacturer_Part_Number=USBLC6-2SC6, Geometry.Height=1.45mm, Design Item ID=USBLC6-2SC6, Source=USBLC6-2SC6.SchLib, Arrow Price/Stock=https://www.arrow.com/en/products/usblc6-2sc6/stmicroelectronics.html?utm_currency=USD&region=nac, Arrow Part Number=USBLC6-2SC6, Mouser Price/Stock=https://www.mouser.co.uk/ProductDetail/STMicroelectronics/USBLC6-2SC6?qs=po45yt2pPpu%2FhNIlwQdTlg%3D%3D, Datasheet Link=https://www.st.com/resource/en/datasheet/usblc6-2.pdf
C1 C2 C38 C40 C41 C42 C68 C84 C143 C144 C145 C146 C161 C164 C165 C166: library part CMP-001-00139-1, "25V 10uF X7R ±10% 1206 Multilayer Ceramic Capacitors MLCC - SMD/SMT ROHS", Case Code (Imperial)=1206, Case Code (Metric)=3216, Dielectric=X7R, Dielectric Material=Ceramic, Manufacturer Lifecycle Status="IN PRODUCTION", Max Operating Temperature=125°C, Min Operating Temperature=-55°C, Tolerance=10%, Voltage=25V, Case/Package=1206, China RoHS=Compliant, Depth=1.6mm, Height=1.6mm, Lead Free="Lead Free", Length=3.2mm, Lifecycle Status=Production, Material=Ceramic, Mounting Technology="Surface Mount", Number of Terminals=2, Packaging="Cut Tape", Pins=2, Radiation Hardening=No, REACH SVHC=Yes, RoHS=Compliant, Schedule B="8532240020, 8532240020", Termination=SMD/SMT, Thickness=1.6mm, Voltage Rating=25V, Voltage Rating (DC)=25V, Width=1.6mm
C3 C4 C5 C6 C7 C8 C9 C10 C11 C12 C13 C14 C15 C16 C23: library part CMP-001-00136-1, "10V 100nF X7R ±10% 0402 Multilayer Ceramic Capacitors MLCC - SMD/SMT ROHS", Case Code (Imperial)=0402, Case Code (Metric)=1005, Dielectric=X7R, Dielectric Material=Ceramic, Manufacturer Lifecycle Status=NRND, Max Operating Temperature=125°C, Min Operating Temperature=-55°C, Tolerance=10%, Voltage=10V, Case/Package=0402, Country of Origin="Japan, Mainland China, Philippines, Singapore, Thailand", Depth=500µm, Dissipation Factor=0.035%, Export Control Classification Number (ECCN) Code=EAR99, Harmonized Tariff Schedule (HTS) Code=8532.24.00.20, Height=500µm, Introduction Date=2004-11-19, Lead Free="Lead Free", Length=1mm, Lifecycle Status=NRND, Material=Ceramic, Mounting Technology="Surface Mount", Number of Terminals=2, Packaging="Cut Tape", Pins=2, Radiation Hardening=No, REACH SVHC=Yes, RoHS=Compliant, Schedule B="8532240020, 8532240020", Termination=SMD/SMT, Thickness=500µm, Voltage Rating=10V, Voltage Rating (DC)=10V, Width=500µm
C17 C66 C112 C113 C122 C128 C129 C138 C152 C160: library part CMP-001-00149-1, "50V 4.7uF X7R ±10% 0805 Multilayer Ceramic Capacitors MLCC - SMD/SMT ROHS", Case/Package=0805, Dielectric Material=Ceramic, Manufacturer Lifecycle Status="IN PRODUCTION", Max Operating Temperature=125°C, Min Operating Temperature=-55°C, Tolerance=10%, Voltage Rating=50V, Country of Origin="Japan, Mainland China, Philippines, Singapore, Thailand", Export Control Classification Number (ECCN) Code=EAR99, Harmonized Tariff Schedule (HTS) Code=8532.24.00.20, Height=1.25mm, Introduction Date=2017-02-22, Length=2mm, Lifecycle Status=Production, Material=Ceramic, Mounting Technology="Surface Mount", Number of Terminals=2, REACH SVHC=Yes, RoHS=Compliant, Thickness=1.25mm, Voltage Rating (DC)=50V, Width=1.25mm
C18 C19: library part CMP-001-00145-1, "GJM Series 0402 14 pF 50 V ±1 % Tolerance C0G SMT Monolithic Ceramic Capacitor", Case/Package=0402, Dielectric Material=Ceramic, Manufacturer Lifecycle Status="IN PRODUCTION", Max Operating Temperature=125°C, Min Operating Temperature=-55°C, Temperature Coefficient=30ppm/°C, Tolerance=1%, Voltage Rating=50V, Height=500µm, Length=1mm, Lifecycle Status=Production, Material=Ceramic, Mounting Technology="Surface Mount", Number of Terminals=2, REACH SVHC=Yes, RoHS=Compliant, Thickness=500µm, Voltage Rating (DC)=50V, Width=500µm
C20 C21 C45 C78 C79 C108 C109 C158 C168A C168B C170A C170B C178: library part CMP-001-00005-6, "Chip Capacitor, 1 uF, +/- 10%, 25 V, 0603 (1608 Metric)", Capacitor Type=Ceramic, Case/Package=0603, Max Operating Temperature=125°C, Min Operating Temperature=-55°C, Tolerance=10%, Voltage Rating=25V, Mounting Technology=SM, Pins=2, RoHS Compliant=True
C22 C67: library part CMP-001-00069-3, "Chip Capacitor, 10nF +/-20%, 50V, 0402, Thickness 0.6 mm", Case/Package=0402, Max Operating Temperature=85°C, Min Operating Temperature=-55°C, Tolerance=5%, Voltage Rating=50V, Mounting Technology=SMT, Pins=2
C24 C25: library part CMP-001-00146-1, "10V 2.2uF X5R ±10% 0402 Multilayer Ceramic Capacitors MLCC - SMD/SMT ROHS", Case Code (Imperial)=0402, Case Code (Metric)=1005, Dielectric=X5R, Dielectric Material=Ceramic, Max Operating Temperature=85°C, Min Operating Temperature=-55°C, Temperature Coefficient=30ppm/°C, Tolerance=10%, Voltage Rating=10V, Case/Package=0402, China RoHS=Compliant, Composition=Ceramic, Depth=500µm, Halogen Free="Halogen Free", Height=500µm, Lead Free="Lead Free", Length=1mm, Lifecycle Status=Production, Material=Ceramic, Mounting Technology="Surface Mount", Number of Terminals=2, Packaging="Tape & Reel (TR)", REACH SVHC=Yes, RoHS=Compliant, Schedule B="8532240020, 8532240020", Termination=SMD/SMT, Thickness=558.8µm, Voltage Rating (DC)=10V, Weight=652.039032µg, Width=500µm
C26A C26B C28A C28B C28C C28D C28E C28F C28G C28H C28I C28J C30A C30B C30C C30D C30E C30F C30G C30H C30I C30J C37 C39 C43 C44 C46 C47A C47B C47C C47D C47E C48A C48B C48C C48D C48E C49A C49B C49C C49D C49E C50A C50B C51A C51B C52A C52B C53A C53B C56A C56B C58 C59 C60 C61 C62 C63 C70 C71 C77 C80 C81 C83 C85 C86 C87 C88 C90A C90B C92A C92B C93A C93B C94A C94B C95A C95B C96A C96B C97A C97B C98A C98B C99A C99B C100A C100B C101A C101B C102A C102B C103A C103B C104A C104B C105A C105B C106A C106B C107A C107B C110 C121 C123 C124 C125 C126 C137 C139 C140 C141 C142 C153 C156 C157 C159 C162 C167 C169A C169B C172A C172B C173A C173B C174A C174B C175A C175B C176A C176B C177A C177B C177C C177D C177E C177F C177G: library part CMP-001-00017-6, "Chip Capacitor, 100 nF, +/- 10%, 50 V, 0603 (1608 Metric)", Capacitor Type=Ceramic, Case/Package=0603, Max Operating Temperature=125°C, Min Operating Temperature=-55°C, Tolerance=10%, Voltage Rating=50V, Mounting Technology=SM, Pins=2, RoHS Compliant=True